# KiCad board nyx.kicad_pcb (continued)
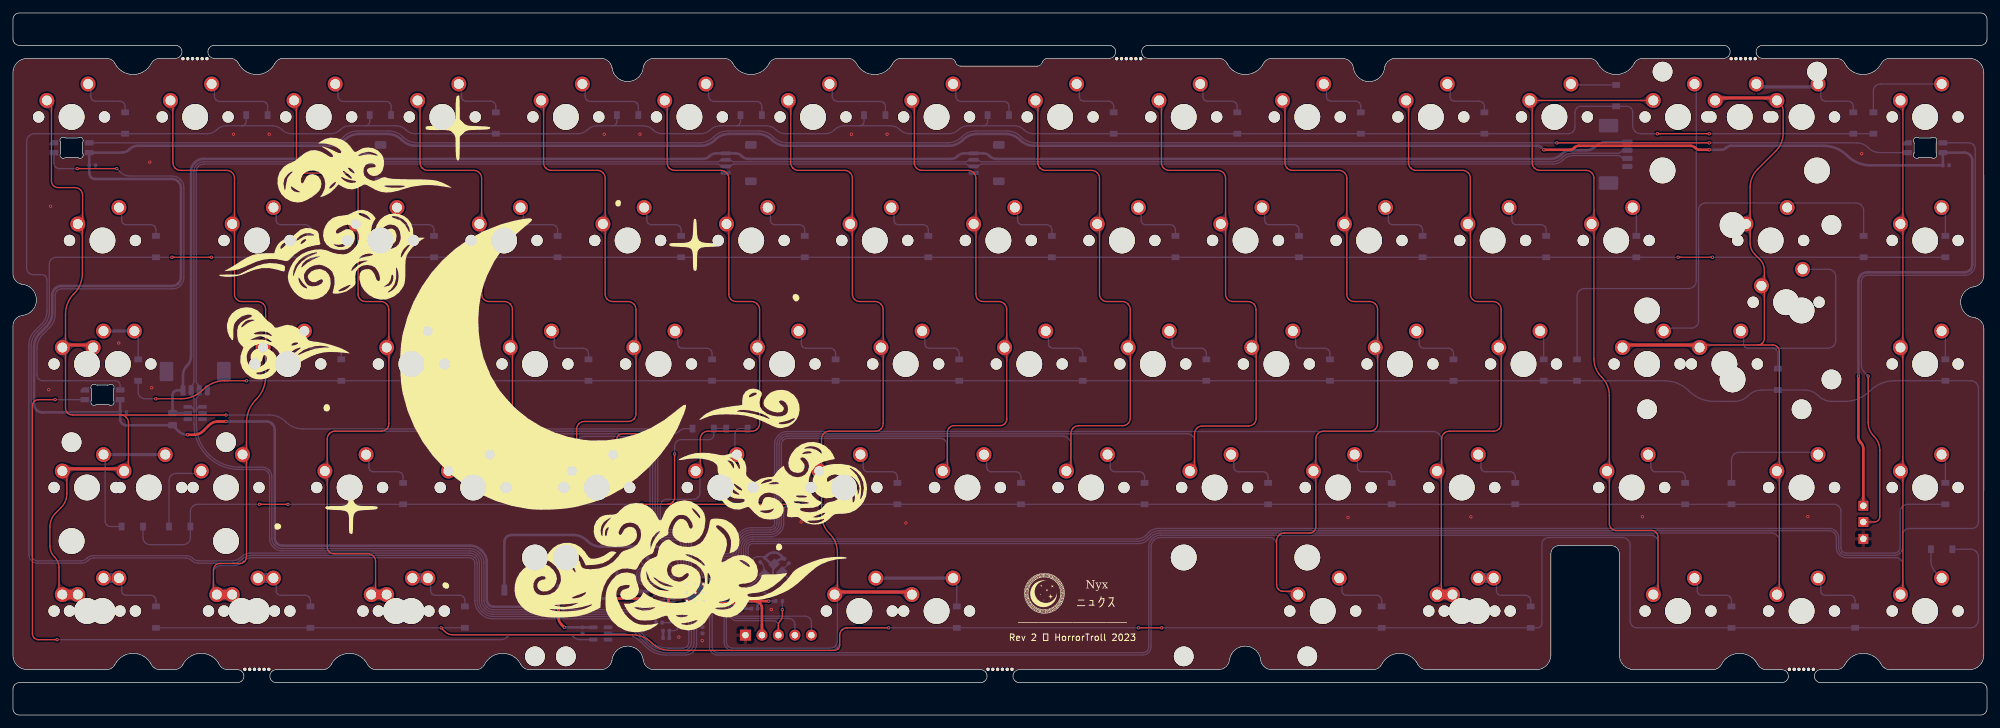
[diagram p0: board, top side]
## Routing (per net, layer and track width the routed paths; a pad name or vN(x,y) marks a point on that pad's centre or on a via; arc(x,y) is an arc through that point) (continued)
Net-(D40-A): length 9.2
  Bottom w0.2: D40.2 203.02,55.76 arc(202.96,56.06) 202.79,56.32 202.77,56.34 arc(202.51,56.51) 202.21,56.57 198.41,56.57 arc(198.16,56.62) 197.95,56.76 197.93,56.78 arc(197.79,56.99) 197.74,57.24 197.74,58.79 MX40.2
Net-(D41-A): length 9.2
  Bottom w0.2: D41.2 222.07,55.76 arc(222.01,56.06) 221.84,56.32 221.82,56.34 arc(221.56,56.51) 221.26,56.57 217.46,56.57 arc(217.21,56.62) 217,56.76 216.98,56.78 arc(216.84,56.99) 216.79,57.24 216.79,58.79 MX41.2
Net-(D42-A): length 4.6
  Bottom w0.2: D42.2 235.98,58.65 MX42.2
Net-(D43-A): length 36.6
  Bottom w0.2: 271.26,56.57 267.46,56.57 arc(267.21,56.62) 267,56.76 266.98,56.78 arc(266.84,56.99) 266.79,57.24 266.79,58.79 MX43.2 ; 271.26,56.57 279.82,56.57 arc(280.26,56.66) 280.64,56.91 280.66,56.94 arc(280.91,57.31) 281,57.75 281,67.62 arc(280.92,68.04) 280.68,68.39 280.65,68.42 arc(280.3,68.66) 279.87,68.74 MX71.2 ; 271.26,56.57 arc(271.57,56.51) 271.83,56.34 271.84,56.32 arc(272.02,56.06) 272.08,55.76 D43.2
Net-(D44-A): length 4.6
  Bottom w0.2: MX44.2 297.9,58.64 D44.2
Net-(D45-A): length 22.9
  Bottom w0.2: D45.2 15.05,29.07 arc(14.73,29.14) 14.45,29.32 14.45,29.32 arc(14.26,29.6) 14.2,29.92 14.2,39.92 MX79.2
  Bottom w0.5: MX79.2 MX45.2
Net-(D46-A): length 9.2
  Bottom w0.2: D46.2 60.14,36.71 arc(60.08,37.01) 59.91,37.27 59.9,37.29 arc(59.64,37.46) 59.33,37.52 55.53,37.52 arc(55.28,37.57) 55.07,37.71 55.05,37.73 arc(54.91,37.94) 54.86,38.19 54.86,39.74 MX46.2
Net-(D47-A): length 9.2
  Bottom w0.2: D47.2 79.19,36.71 arc(79.13,37.01) 78.96,37.27 78.95,37.29 arc(78.69,37.46) 78.38,37.52 74.58,37.52 arc(74.33,37.57) 74.12,37.71 74.1,37.73 arc(73.96,37.94) 73.91,38.19 73.91,39.74 MX47.2
Net-(D48-A): length 14.9
  Top w0.2: v1(100.5,43.4) 93.98,43.4 arc(93.65,43.33) 93.38,43.15 93.35,43.12 arc(93.16,42.85) 93.1,42.52 93.1,40.73 MX48.2
  Bottom w0.2: D48.2 103.64,44.17 arc(103.14,44.07) 102.72,43.79 102.71,43.78 arc(102.28,43.5) 101.79,43.4 v1(100.5,43.4)
Net-(D49-A): length 5.7
  Bottom w0.2: MX49.2 111.3,40.45 111.3,43.32 arc(111.36,43.65) 111.55,43.92 111.55,43.92 arc(111.83,44.11) 112.15,44.17 D49.2
Net-(D50-A): length 9.2
  Bottom w0.2: D50.2 136.34,36.71 arc(136.28,37.01) 136.11,37.27 136.1,37.29 arc(135.84,37.46) 135.53,37.52 131.73,37.52 arc(131.48,37.57) 131.27,37.71 131.25,37.73 arc(131.11,37.94) 131.06,38.19 131.06,39.74 MX50.2
Net-(D51-A): length 9.2
  Bottom w0.2: MX51.2 150.11,39.74 150.11,38.19 arc(150.16,37.94) 150.3,37.73 150.32,37.71 arc(150.53,37.57) 150.78,37.52 154.58,37.52 arc(154.89,37.46) 155.15,37.29 155.16,37.27 arc(155.33,37.01) 155.39,36.71 D51.2
Net-(D52-A): length 9.2
  Bottom w0.2: D52.2 174.44,36.71 arc(174.38,37.01) 174.21,37.27 174.2,37.29 arc(173.94,37.46) 173.63,37.52 169.83,37.52 arc(169.58,37.57) 169.37,37.71 169.35,37.73 arc(169.21,37.94) 169.16,38.19 169.16,39.74 MX52.2
Net-(D53-A): length 9.2
  Bottom w0.2: D53.2 193.49,36.71 arc(193.43,37.01) 193.26,37.27 193.25,37.29 arc(192.99,37.46) 192.68,37.52 188.88,37.52 arc(188.63,37.57) 188.42,37.71 188.4,37.73 arc(188.26,37.94) 188.21,38.19 188.21,39.74 MX53.2
Net-(D54-A): length 9.2
  Bottom w0.2: D54.2 212.54,36.71 arc(212.48,37.01) 212.31,37.27 212.3,37.29 arc(212.04,37.46) 211.73,37.52 207.93,37.52 arc(207.68,37.57) 207.47,37.71 207.45,37.73 arc(207.31,37.94) 207.26,38.19 207.26,39.74 MX54.2
Net-(D55-A): length 9.2
  Bottom w0.2: D55.2 231.59,36.71 arc(231.53,37.01) 231.36,37.27 231.35,37.29 arc(231.09,37.46) 230.78,37.52 226.98,37.52 arc(226.73,37.57) 226.52,37.71 226.5,37.73 arc(226.36,37.94) 226.31,38.19 226.31,39.74 MX55.2
Net-(D56-A): length 9.2
  Bottom w0.2: MX56.2 252.51,39.74 252.51,38.19 arc(252.56,37.94) 252.7,37.73 252.72,37.71 arc(252.93,37.57) 253.18,37.52 256.97,37.52 arc(257.28,37.46) 257.54,37.29 257.55,37.27 arc(257.73,37.01) 257.79,36.71 D56.2
Net-(D57-A): length 17.7
  Bottom w0.2: MX57.2 277.92,40.52 266.09,40.52 arc(265.65,40.43) 265.28,40.19 265.27,40.18 arc(265.02,39.8) 264.93,39.36 D57.2
Net-(D58-A): length 4.6
  Bottom w0.2: MX58.2 297.9,39.59 D58.2
Net-(D59-A): length 11.6
  Bottom w0.2: D59.2 22.04,17.66 arc(21.98,17.96) 21.81,18.22 21.8,18.24 arc(21.54,18.41) 21.23,18.47 17.43,18.47 arc(17.18,18.52) 16.97,18.66 16.95,18.68 arc(16.81,18.89) 16.76,19.14 16.76,20.69 MX73.2
  Bottom w1.5: MX73.2 MX59.2
Net-(D60-A): length 11.6
  Bottom w0.2: MX74.2 40.58,20.69 40.58,19.14 arc(40.62,18.89) 40.77,18.68 40.78,18.66 arc(41,18.52) 41.24,18.47 45.04,18.47 arc(45.35,18.41) 45.61,18.24 45.62,18.22 arc(45.8,17.96) 45.86,17.66 D60.2
  Bottom w1.5: MX60.2 MX74.2
Net-(D61-A): length 11.6
  Bottom w0.2: D61.2 69.67,17.66 arc(69.61,17.96) 69.44,18.22 69.42,18.24 arc(69.16,18.41) 68.86,18.47 65.06,18.47 arc(64.81,18.52) 64.6,18.66 64.58,18.68 arc(64.44,18.89) 64.39,19.14 64.39,20.69 MX75.2
  Bottom w1.5: MX75.2 MX61.2
Net-(D62-A): length 16.5
  Bottom w0.2: D62.2 145.5,20.54 MX76.2
  Bottom w0.5: MX62.2 MX76.2
Net-(D63-A): length 10
  Bottom w0.2: MX63.2 204.88,20.69 204.88,19.14 arc(204.93,18.89) 205.07,18.68 205.09,18.66 arc(205.3,18.52) 205.55,18.47 210.19,18.47 arc(210.49,18.41) 210.75,18.24 210.77,18.22 arc(210.94,17.96) 211,17.66 D63.2
Net-(D64-A): length 11.6
  Bottom w0.2: D64.2 233.98,17.66 arc(233.92,17.96) 233.74,18.22 233.73,18.24 arc(233.47,18.41) 233.16,18.47 229.36,18.47 arc(229.11,18.52) 228.9,18.66 228.88,18.68 arc(228.74,18.89) 228.69,19.14 228.69,20.69 MX64.2
  Bottom w1.5: MX64.2 MX77.2
Net-(D65-A): length 9.2
  Bottom w0.2: MX65.2 259.65,20.69 259.65,19.14 arc(259.7,18.89) 259.84,18.68 259.86,18.66 arc(260.07,18.52) 260.32,18.47 264.12,18.47 arc(264.42,18.41) 264.68,18.24 264.7,18.22 arc(264.87,17.96) 264.93,17.66 D65.2
Net-(D66-A): length 9.2
  Bottom w0.2: MX66.2 278.7,20.69 278.7,19.14 arc(278.75,18.89) 278.89,18.68 278.91,18.66 arc(279.12,18.52) 279.37,18.47 283.17,18.47 arc(283.47,18.41) 283.73,18.24 283.75,18.22 arc(283.92,17.96) 283.98,17.66 D66.2
Net-(D67-A): length 5
  Bottom w0.2: MX67.2 296.41,22.04 arc(295.87,22.85) 295.68,23.8 D67.2
Net-(D68-A): length 60
  Bottom w0.2: MX70.2 259.5,97.04 259.5,66.95 arc(259.41,66.51) 259.16,66.14 259.14,66.11 arc(258.76,65.86) 258.32,65.77 242.28,65.77 arc(241.84,65.68) 241.46,65.44 241.46,65.43 arc(241.21,65.06) 241.12,64.62 D68.2
Net-(D69-A): length 12.9
  Bottom w0.2: D69.2 24.05,36.17 arc(24.13,36.59) 24.37,36.94 24.38,36.95 arc(24.73,37.19) 25.16,37.27 28.68,37.27 MX72.1
Net-(LED1-DOUT): length 86.4
  Top w0.2: v1(16,84.27) v1(9.9,84.27)
  Bottom w0.2: 16.53,50.14 16.53,50.79 arc(16.47,51.08) 16.31,51.32 16.3,51.33 arc(16.05,51.49) 15.77,51.55 4.57,51.55 arc(4.25,51.61) 3.97,51.8 3.95,51.82 arc(3.76,52.1) 3.7,52.43 3.7,56.56 arc(3.93,57.71) 4.58,58.68 5.62,59.73 arc(6.27,60.7) 6.5,61.85 6.5,64.72 arc(6.58,65.1) 6.79,65.43 6.79,65.43 arc(7.12,65.65) 7.5,65.72 24.6,65.72 arc(25.23,65.85) 25.77,66.21 25.87,66.3 arc(26.22,66.84) 26.35,67.47 26.35,81.38 arc(26.22,82.01) 25.87,82.54 25.77,82.64 arc(25.23,83) 24.6,83.12 17.98,83.12 arc(17.21,83.27) 16.56,83.71 v1(16,84.27) ; v1(9.9,84.27) 7.13,84.27 arc(6.83,84.33) 6.57,84.51 6.54,84.53 arc(6.37,84.79) 6.31,85.09 LED2.3
Net-(LED2-DOUT): length 283.7
  Top w0.2: v1(238,88.24) v1(261.5,88.24)
  Bottom w0.2: LED3.3 287.82,86.74 arc(286.85,86.93) 286.02,87.48 286.01,87.49 arc(285.18,88.04) 284.21,88.24 v1(261.5,88.24) ; LED2.2 48.75,88.24 arc(49.94,88.47) 50.94,89.15 50.96,89.16 arc(51.97,89.84) 53.15,90.07 57.92,90.07 arc(59.1,89.84) 60.11,89.16 60.13,89.15 arc(61.13,88.47) 62.32,88.24 105.83,88.24 arc(107.01,88.47) 108.02,89.15 108.04,89.16 arc(109.04,89.84) 110.23,90.07 114.99,90.07 arc(116.18,89.84) 117.18,89.16 117.2,89.15 arc(118.21,88.47) 119.39,88.24 144.05,88.24 arc(145.24,88.47) 146.24,89.15 146.26,89.16 arc(147.27,89.84) 148.45,90.07 153.22,90.07 arc(154.4,89.84) 155.41,89.16 155.43,89.15 arc(156.43,88.47) 157.62,88.24 v1(238,88.24)

## Copper pours and planes (outline as drawn; the poured copper is in the pictures)
+1V1 on Bottom: 102.53,17.57 103.5,17.57 103.5,17.2 106.6,17.2 106.6,16.6 102.54,16.6
+3V3 on Top: 115.26,14.02 115.23,13.66 115.14,13.41 115,13.21 114.85,12.98 114.67,12.65 115.46,12.32 116.25,12.65 116.07,12.98 115.92,13.21 115.78,13.41 115.69,13.66 115.66,14.02
+3V3 on Bottom: 99.6,13.62 99.6,14.72 100.7,14.72 101.13,16.82 102.4,16.82 102.4,17.87 102.38,17.97 102.3,18.07 100.9,18.07 100.2,18.32 99.4,18.32 98.5,17.37 97.8,17.67 98,18.42 99,18.85 102.3,18.85 102.38,18.95 102.4,19.05 102.4,21.62 102.43,21.68 102.45,21.89 102.73,21.89 102.78,21.66 102.85,21.62 105.9,21.62 105.98,21.65 106.05,21.9 106.33,21.9 106.38,21.65 106.45,21.62 107.98,21.62 107.98,20.15 106.88,20.15 106.88,20.57 103.5,20.57 103.5,17.2 106.88,17.2 106.88,19.47 107.95,19.47 107.98,19.03 108.01,18.9 108.25,18.82 108.25,18.54 108.01,18.47 107.98,18.35 107.98,16.07 106.5,16.07 106.4,16.02 106.32,15.77 106.05,15.77 105.98,16.02 105.85,16.07 102.75,16.07 102.75,12.72 101.7,12.72 101.7,11.22 100.7,11.22 100.7,13.62
+5V on Top: 285.05,33.8 284.94,33.59 284.83,33.41 284.71,33.25 284.6,33.13 284.49,33.03 285.25,32.27 286.01,33.03 285.9,33.13 285.79,33.25 285.67,33.41 285.56,33.59 285.45,33.8
+5V on Bottom: 23.41,44.5 23.54,44.48 23.67,44.44 23.8,44.39 23.92,44.32 24.05,44.23 24.6,44.7 24.05,45.17 23.92,45.08 23.8,45.01 23.67,44.95 23.54,44.92 23.41,44.9
+5V on Bottom: 25.57,44.01 25.51,44.11 25.46,44.23 25.41,44.37 25.35,44.52 25.3,44.69 24.6,44.7 24.4,44.21 24.58,44.15 24.75,44.07 24.93,43.97 25.11,43.86 25.29,43.73
GND on Top, Bottom: 304.3,6.47 -0.5,6.47 -0.5,101.77 304.3,101.77
VBUS on Bottom: 25.79,46.77 25.66,46.79 25.53,46.83 25.4,46.88 25.28,46.95 25.15,47.04 24.6,46.57 25.15,46.1 25.28,46.19 25.4,46.26 25.53,46.32 25.66,46.35 25.79,46.37
/~{USB_BOOT} on Bottom: 75.55,20.57 75.5,20.45 75.45,20.35 75.4,20.26 75.35,20.18 75.3,20.12 75.75,19.27 76.2,20.12 76.15,20.18 76.1,20.26 76.05,20.35 76,20.45 75.95,20.57
Col0 on Top: 8.2,54.5 8.22,54.96 8.28,55.28 8.38,55.55 8.51,55.85 8.69,56.28 7.61,56.68 6.73,55.94 7.09,55.6 7.44,55.39 7.73,55.21 7.93,54.95 8,54.5
Col0 on Top: 9.85,38.22 9.33,38.26 8.97,38.36 8.67,38.49 8.32,38.63 7.81,38.76 7.61,37.63 8.18,36.63 8.59,36.94 8.85,37.23 9.08,37.48 9.37,37.66 9.85,37.72
Col0 on Top: 9.84,57.32 9.32,57.36 8.97,57.44 8.66,57.56 8.31,57.69 7.81,57.81 7.61,56.68 8.18,55.68 8.59,55.99 8.85,56.3 9.07,56.57 9.36,56.75 9.84,56.82
Col0 on Top: 8.4,35.58 8.44,36.09 8.53,36.45 8.63,36.76 8.72,37.12 8.76,37.63 7.61,37.63 6.73,36.89 7.12,36.56 7.52,36.39 7.86,36.25 8.11,36.02 8.2,35.58
Col0 on Top: 6.03,92.74 6.07,93.25 6.15,93.61 6.26,93.91 6.34,94.27 6.37,94.78 5.22,94.78 4.34,94.04 4.74,93.71 5.14,93.54 5.49,93.41 5.74,93.19 5.83,92.74
Col0 on Top: 9.91,19.33 9.38,19.35 9.01,19.41 8.69,19.5 8.33,19.6 7.81,19.71 7.61,18.58 7.81,17.44 8.33,17.56 8.69,17.66 9.01,17.75 9.38,17.81 9.91,17.83
Col0 on Top: 7,20.75 6.98,20.29 6.92,19.97 6.83,19.71 6.7,19.4 6.53,18.97 7.61,18.58 8.49,19.32 8.12,19.66 7.77,19.86 7.47,20.04 7.27,20.3 7.2,20.75
Col0 on Top: 10.63,77.73 10.57,77.36 10.4,77.15 10.14,77.02 9.8,76.9 9.41,76.72 9.99,75.73 11.14,75.73 11.11,76.23 11.03,76.58 10.94,76.88 10.87,77.23 10.83,77.73
Col0 on Top: 10.14,56.82 10.61,56.75 10.9,56.57 11.12,56.3 11.38,55.99 11.79,55.68 12.37,56.68 12.17,57.81 11.66,57.69 11.31,57.56 11.01,57.44 10.65,57.36 10.14,57.32
Col0 on Top: 14.89,37.72 15.36,37.66 15.66,37.48 15.88,37.23 16.15,36.94 16.56,36.63 17.13,37.63 16.93,38.76 16.42,38.63 16.07,38.49 15.77,38.36 15.41,38.26 14.89,38.22
Col0 on Top: 8,58.85 7.93,58.41 7.73,58.14 7.44,57.96 7.09,57.76 6.73,57.42 7.61,56.68 8.69,57.07 8.51,57.5 8.38,57.81 8.28,58.08 8.22,58.4 8.2,58.85
Col0 on Top: 7.69,17.83 8.21,17.81 8.59,17.75 8.9,17.66 9.27,17.56 9.79,17.44 9.99,18.58 9.79,19.71 9.27,19.6 8.9,19.5 8.59,19.41 8.21,19.35 7.69,19.33
Col0 on Top: 10.8,73.7 10.84,74.2 10.92,74.56 11.02,74.86 11.1,75.22 11.14,75.73 9.99,75.73 9.11,74.99 9.51,74.66 9.91,74.49 10.26,74.36 10.51,74.14 10.6,73.7
Col0 on Top: 17.7,39.69 17.61,39.25 17.37,39.02 17.03,38.88 16.64,38.7 16.25,38.37 17.13,37.63 18.21,38.02 18.07,38.42 17.98,38.71 17.93,38.97 17.9,39.27 17.9,39.69
Col1 on Top: 34.05,77.96 33.99,77.51 33.82,77.23 33.58,77.03 33.27,76.81 32.92,76.47 33.8,75.73 34.88,76.12 34.69,76.57 34.52,76.88 34.38,77.15 34.28,77.48 34.25,77.96
Col1 on Top: 39.05,54.46 39.08,54.93 39.16,55.26 39.29,55.53 39.46,55.84 39.64,56.28 38.56,56.68 37.68,55.94 38.04,55.6 38.35,55.38 38.61,55.18 38.79,54.91 38.85,54.46
Col1 on Top: 33.72,19.33 33.19,19.35 32.82,19.41 32.5,19.5 32.14,19.6 31.62,19.71 31.42,18.58 31.62,17.44 32.14,17.56 32.5,17.66 32.82,17.75 33.19,17.81 33.72,17.83
Col1 on Top: 34.25,73.5 34.28,73.98 34.38,74.3 34.52,74.57 34.69,74.89 34.88,75.33 33.8,75.73 32.92,74.99 33.27,74.65 33.58,74.42 33.82,74.22 33.99,73.94 34.05,73.5
Col1 on Top: 24.75,92.56 24.78,93.03 24.87,93.36 25,93.63 25.17,93.94 25.36,94.38 24.27,94.78 23.39,94.04 23.75,93.7 24.06,93.48 24.32,93.28 24.49,93 24.55,92.56
Col1 on Top: 30.8,20.74 30.78,20.29 30.73,19.97 30.64,19.7 30.51,19.4 30.34,18.97 31.42,18.58 32.3,19.32 31.93,19.66 31.57,19.86 31.28,20.04 31.08,20.3 31,20.74
Col1 on Top: 35.9,42.28 35.82,41.83 35.59,41.59 35.27,41.43 34.89,41.24 34.51,40.91 35.39,40.17 36.47,40.56 36.31,40.97 36.21,41.27 36.14,41.53 36.11,41.84 36.1,42.28
Col1 on Top: 31.5,17.83 32.03,17.81 32.4,17.75 32.71,17.66 33.08,17.56 33.6,17.44 33.8,18.58 33.6,19.71 33.08,19.6 32.71,19.5 32.4,19.41 32.03,19.35 31.5,19.33
Col1 on Top: 38.85,58.89 38.79,58.45 38.61,58.17 38.35,57.98 38.04,57.76 37.68,57.42 38.56,56.68 39.64,57.07 39.46,57.51 39.29,57.82 39.16,58.1 39.08,58.42 39.05,58.89
Col1 on Top: 36.1,38.05 36.11,38.49 36.14,38.8 36.21,39.06 36.31,39.36 36.47,39.77 35.39,40.17 34.51,39.43 34.89,39.09 35.27,38.9 35.59,38.74 35.82,38.5 35.9,38.05
Col1 on Bottom: 30.8,20.74 30.78,20.29 30.73,19.97 30.64,19.7 30.51,19.4 30.34,18.97 31.42,18.58 32.3,19.32 31.93,19.66 31.57,19.86 31.28,20.04 31.08,20.3 31,20.74
Col2 on Top: 48.55,35.4 48.58,35.88 48.67,36.2 48.81,36.48 48.98,36.79 49.17,37.23 48.09,37.63 47.21,36.89 47.56,36.55 47.87,36.33 48.12,36.12 48.29,35.85 48.35,35.4
Col2 on Top: 57.85,58.91 57.79,58.46 57.63,58.19 57.38,57.98 57.08,57.76 56.73,57.42 57.61,56.68 58.69,57.07 58.5,57.52 58.32,57.83 58.18,58.11 58.08,58.43 58.05,58.91
Col2 on Top: 58.05,54.45 58.08,54.92 58.18,55.25 58.32,55.52 58.5,55.83 58.69,56.28 57.61,56.68 56.73,55.94 57.08,55.6 57.38,55.37 57.63,55.17 57.79,54.89 57.85,54.45
Col2 on Top: 55.31,17.83 55.84,17.81 56.21,17.75 56.53,17.66 56.89,17.56 57.41,17.44 57.61,18.58 57.41,19.71 56.89,19.6 56.53,19.5 56.21,19.41 55.84,19.35 55.31,19.33
Col2 on Top: 43.8,92.56 43.83,93.03 43.92,93.36 44.05,93.63 44.22,93.94 44.41,94.38 43.32,94.78 42.44,94.04 42.8,93.7 43.11,93.48 43.37,93.28 43.54,93 43.6,92.56
Col2 on Top: 55.8,20.64 55.71,20.2 55.47,19.97 55.13,19.83 54.74,19.65 54.35,19.32 55.23,18.58 56.31,18.97 56.17,19.37 56.08,19.66 56.03,19.92 56,20.22 56,20.64
Col2 on Top: 53.1,77.96 53.04,77.51 52.87,77.23 52.63,77.03 52.32,76.81 51.97,76.47 52.85,75.73 53.93,76.12 53.74,76.57 53.57,76.88 53.43,77.15 53.33,77.48 53.3,77.96
Col2 on Top: 53.3,73.5 53.33,73.98 53.43,74.3 53.57,74.57 53.74,74.89 53.93,75.33 52.85,75.73 51.97,74.99 52.32,74.65 52.63,74.42 52.87,74.22 53.04,73.94 53.1,73.5
Col2 on Top: 48.35,39.85 48.29,39.41 48.12,39.13 47.87,38.93 47.56,38.71 47.21,38.37 48.09,37.63 49.17,38.02 48.98,38.47 48.81,38.78 48.67,39.05 48.58,39.38 48.55,39.85
Col2 on Top: 57.53,19.33 57,19.35 56.63,19.41 56.32,19.5 55.95,19.6 55.43,19.71 55.23,18.58 55.43,17.44 55.95,17.56 56.32,17.66 56.63,17.75 57,17.81 57.53,17.83
Col2 on Bottom: 48.35,39.85 48.29,39.41 48.12,39.13 47.87,38.93 47.56,38.71 47.21,38.37 48.09,37.63 49.17,38.02 48.98,38.47 48.81,38.78 48.67,39.05 48.58,39.38 48.55,39.85
Col3 on Top: 76.9,58.91 76.84,58.46 76.68,58.19 76.43,57.98 76.13,57.76 75.78,57.42 76.66,56.68 77.74,57.07 77.55,57.52 77.37,57.83 77.23,58.11 77.13,58.43 77.1,58.91
Col3 on Top: 72.15,77.96 72.09,77.51 71.92,77.23 71.68,77.03 71.37,76.81 71.02,76.47 71.9,75.73 72.98,76.12 72.79,76.57 72.62,76.88 72.48,77.15 72.38,77.48 72.35,77.96
Col3 on Top: 67.75,39.66 67.66,39.22 67.41,38.99 67.06,38.86 66.66,38.7 66.26,38.37 67.14,37.63 68.29,37.63 68.25,38.14 68.17,38.49 68.07,38.8 67.99,39.15 67.95,39.66
Col3 on Top: 77.1,54.45 77.13,54.92 77.23,55.25 77.37,55.52 77.55,55.83 77.74,56.28 76.66,56.68 75.78,55.94 76.13,55.6 76.43,55.37 76.68,55.17 76.84,54.89 76.9,54.45
Col3 on Top: 62.85,92.56 62.88,93.03 62.97,93.36 63.1,93.63 63.27,93.94 63.46,94.38 62.37,94.78 61.49,94.04 61.85,93.7 62.16,93.48 62.42,93.28 62.59,93 62.65,92.56
Col3 on Top: 72.35,73.5 72.38,73.98 72.48,74.3 72.62,74.57 72.79,74.89 72.98,75.33 71.9,75.73 71.02,74.99 71.37,74.65 71.68,74.42 71.92,74.22 72.09,73.94 72.15,73.5
Col3 on Bottom: 67.7,39.7 67.61,39.26 67.37,39.02 67.04,38.88 66.65,38.7 66.26,38.37 67.14,37.63 68.22,38.02 68.07,38.42 67.98,38.71 67.93,38.97 67.91,39.27 67.9,39.7
Col4 on Top: 86.8,39.66 86.71,39.22 86.46,38.99 86.11,38.86 85.71,38.7 85.31,38.37 86.19,37.63 87.34,37.63 87.3,38.14 87.22,38.49 87.12,38.8 87.04,39.15 87,39.66
Col4 on Top: 81.9,92.56 81.93,93.03 82.02,93.36 82.15,93.63 82.32,93.94 82.51,94.38 81.42,94.78 80.54,94.04 80.9,93.7 81.21,93.48 81.47,93.28 81.64,93 81.7,92.56
Col4 on Top: 95.95,58.91 95.89,58.46 95.73,58.19 95.48,57.98 95.18,57.76 94.83,57.42 95.71,56.68 96.79,57.07 96.6,57.52 96.42,57.83 96.28,58.11 96.18,58.43 96.15,58.91
Col4 on Top: 91.2,77.96 91.14,77.51 90.97,77.23 90.73,77.03 90.42,76.81 90.07,76.47 90.95,75.73 92.03,76.12 91.84,76.57 91.67,76.88 91.53,77.15 91.43,77.48 91.4,77.96
Col4 on Top: 96.15,54.45 96.18,54.92 96.28,55.25 96.42,55.52 96.6,55.83 96.79,56.28 95.71,56.68 94.83,55.94 95.18,55.6 95.48,55.37 95.73,55.17 95.89,54.89 95.95,54.45
Col4 on Top: 91.4,73.5 91.43,73.98 91.53,74.3 91.67,74.57 91.84,74.89 92.03,75.33 90.95,75.73 90.07,74.99 90.42,74.65 90.73,74.42 90.97,74.22 91.14,73.94 91.2,73.5
Col4 on Bottom: 86.8,39.66 86.71,39.22 86.46,38.99 86.11,38.86 85.71,38.7 85.31,38.37 86.19,37.63 87.34,37.63 87.3,38.14 87.22,38.49 87.12,38.8 87.04,39.15 87,39.66
Col5 on Top: 105.85,39.66 105.76,39.22 105.51,38.99 105.16,38.86 104.76,38.7 104.36,38.37 105.24,37.63 106.39,37.63 106.35,38.14 106.27,38.49 106.17,38.8 106.09,39.15 106.05,39.66
Col5 on Top: 100.95,92.56 100.98,93.03 101.07,93.36 101.2,93.63 101.37,93.94 101.56,94.38 100.47,94.78 99.59,94.04 99.95,93.7 100.26,93.48 100.52,93.28 100.69,93 100.75,92.56
Col5 on Top: 110.25,77.96 110.19,77.51 110.02,77.23 109.78,77.03 109.47,76.81 109.12,76.47 110,75.73 111.08,76.12 110.89,76.57 110.72,76.88 110.58,77.15 110.48,77.48 110.45,77.96
Col5 on Top: 115.2,54.45 115.23,54.92 115.33,55.25 115.47,55.52 115.65,55.83 115.84,56.28 114.76,56.68 113.88,55.94 114.23,55.6 114.53,55.37 114.78,55.17 114.94,54.89 115,54.45
Col5 on Top: 115,58.91 114.94,58.46 114.78,58.19 114.53,57.98 114.23,57.76 113.88,57.42 114.76,56.68 115.84,57.07 115.65,57.52 115.47,57.83 115.33,58.11 115.23,58.43 115.2,58.91
Col5 on Top: 110.45,73.5 110.48,73.98 110.58,74.3 110.72,74.57 110.89,74.89 111.08,75.33 110,75.73 109.12,74.99 109.47,74.65 109.78,74.42 110.02,74.22 110.19,73.94 110.25,73.5
Col5 on Bottom: 106,35.56 106.01,35.98 106.03,36.28 106.08,36.54 106.17,36.83 106.32,37.23 105.24,37.63 104.36,36.89 104.75,36.55 105.14,36.38 105.47,36.23 105.71,36 105.8,35.56
Col6 on Top: 129.5,73.5 129.53,73.98 129.63,74.3 129.77,74.57 129.94,74.89 130.13,75.33 129.05,75.73 128.17,74.99 128.52,74.65 128.83,74.42 129.07,74.22 129.24,73.94 129.3,73.5
Col6 on Top: 124.55,39.85 124.49,39.41 124.32,39.13 124.07,38.93 123.76,38.71 123.41,38.37 124.29,37.63 125.37,38.02 125.18,38.47 125.01,38.78 124.87,39.05 124.78,39.38 124.75,39.85
Col6 on Top: 128.9,19.22 128.39,19.26 128.03,19.34 127.73,19.46 127.37,19.59 126.87,19.71 126.67,18.58 127.24,17.58 127.65,17.89 127.91,18.2 128.13,18.47 128.42,18.65 128.9,18.72
Col6 on Top: 129.3,77.96 129.24,77.51 129.07,77.23 128.83,77.03 128.52,76.81 128.17,76.47 129.05,75.73 130.13,76.12 129.94,76.57 129.77,76.88 129.63,77.15 129.53,77.48 129.5,77.96
Col6 on Top: 134.05,58.91 133.99,58.46 133.83,58.19 133.58,57.98 133.28,57.76 132.93,57.42 133.81,56.68 134.89,57.07 134.7,57.52 134.52,57.83 134.38,58.11 134.28,58.43 134.25,58.91
Col6 on Top: 134.25,54.45 134.28,54.92 134.38,55.25 134.52,55.52 134.7,55.83 134.89,56.28 133.81,56.68 132.93,55.94 133.28,55.6 133.58,55.37 133.83,55.17 133.99,54.89 134.05,54.45
Col6 on Top: 120,92.56 120.03,93.03 120.12,93.36 120.25,93.63 120.42,93.94 120.61,94.38 119.52,94.78 118.64,94.04 119,93.7 119.31,93.48 119.57,93.28 119.74,93 119.8,92.56
Col6 on Top: 124.75,35.4 124.78,35.88 124.87,36.2 125.01,36.48 125.18,36.79 125.37,37.23 124.29,37.63 123.41,36.89 123.76,36.55 124.07,36.33 124.32,36.12 124.49,35.85 124.55,35.4
Col6 on Top: 127,20.78 126.93,20.33 126.75,20.06 126.48,19.87 126.15,19.66 125.79,19.32 126.67,18.58 127.75,18.97 127.57,19.41 127.42,19.72 127.3,19.99 127.23,20.31 127.2,20.78
Col6 on Top: 136.35,18.72 136.82,18.65 137.11,18.47 137.33,18.2 137.59,17.89 138,17.58 138.58,18.58 138.38,19.71 137.87,19.59 137.52,19.46 137.21,19.34 136.86,19.26 136.35,19.22
Col6 on Bottom: 127.2,16.38 127.23,16.84 127.3,17.17 127.42,17.44 127.57,17.75 127.75,18.18 126.67,18.58 125.79,17.84 126.15,17.5 126.48,17.28 126.75,17.09 126.93,16.83 127,16.38
Col7 on Top: 148.35,77.96 148.29,77.51 148.12,77.23 147.88,77.03 147.57,76.81 147.22,76.47 148.1,75.73 149.18,76.12 148.99,76.57 148.82,76.88 148.68,77.15 148.58,77.48 148.55,77.96
Col7 on Top: 153.3,54.45 153.33,54.92 153.43,55.25 153.57,55.52 153.75,55.83 153.94,56.28 152.86,56.68 151.98,55.94 152.33,55.6 152.63,55.37 152.88,55.17 153.04,54.89 153.1,54.45
Col7 on Top: 139.05,92.56 139.08,93.03 139.17,93.36 139.3,93.63 139.47,93.94 139.66,94.38 138.57,94.78 137.69,94.04 138.05,93.7 138.36,93.48 138.62,93.28 138.79,93 138.85,92.56
Col7 on Top: 153.1,58.91 153.04,58.46 152.88,58.19 152.63,57.98 152.33,57.76 151.98,57.42 152.86,56.68 153.94,57.07 153.75,57.52 153.57,57.83 153.43,58.11 153.33,58.43 153.3,58.91
Col7 on Top: 143.95,39.66 143.86,39.22 143.61,38.99 143.26,38.86 142.86,38.7 142.46,38.37 143.34,37.63 144.49,37.63 144.45,38.14 144.37,38.49 144.27,38.8 144.19,39.15 144.15,39.66
Col7 on Top: 148.55,73.5 148.58,73.98 148.68,74.3 148.82,74.57 148.99,74.89 149.18,75.33 148.1,75.73 147.22,74.99 147.57,74.65 147.88,74.42 148.12,74.22 148.29,73.94 148.35,73.5
Col7 on Bottom: 143.9,39.7 143.81,39.26 143.57,39.02 143.24,38.88 142.85,38.7 142.46,38.37 143.34,37.63 144.42,38.02 144.27,38.42 144.18,38.71 144.13,38.97 144.11,39.27 144.1,39.7
Col8 on Top: 158.1,92.56 158.13,93.03 158.22,93.36 158.35,93.63 158.52,93.94 158.71,94.38 157.62,94.78 156.74,94.04 157.1,93.7 157.41,93.48 157.67,93.28 157.84,93 157.9,92.56
Col8 on Top: 172.15,58.91 172.09,58.46 171.93,58.19 171.68,57.98 171.38,57.76 171.03,57.42 171.91,56.68 172.99,57.07 172.8,57.52 172.62,57.83 172.48,58.11 172.38,58.43 172.35,58.91
Col8 on Top: 172.35,54.45 172.38,54.92 172.48,55.25 172.62,55.52 172.8,55.83 172.99,56.28 171.91,56.68 171.03,55.94 171.38,55.6 171.68,55.37 171.93,55.17 172.09,54.89 172.15,54.45
Col8 on Top: 167.6,73.5 167.63,73.98 167.73,74.3 167.87,74.57 168.04,74.89 168.23,75.33 167.15,75.73 166.27,74.99 166.62,74.65 166.93,74.42 167.17,74.22 167.34,73.94 167.4,73.5
Col8 on Top: 163,39.66 162.91,39.22 162.66,38.99 162.31,38.86 161.91,38.7 161.51,38.37 162.39,37.63 163.54,37.63 163.5,38.14 163.42,38.49 163.32,38.8 163.24,39.15 163.2,39.66
Col8 on Top: 167.4,77.96 167.34,77.51 167.17,77.23 166.93,77.03 166.62,76.81 166.27,76.47 167.15,75.73 168.23,76.12 168.04,76.57 167.87,76.88 167.73,77.15 167.63,77.48 167.6,77.96
Col8 on Bottom: 163,39.66 162.91,39.22 162.66,38.99 162.31,38.86 161.91,38.7 161.51,38.37 162.39,37.63 163.54,37.63 163.5,38.14 163.42,38.49 163.32,38.8 163.24,39.15 163.2,39.66
Col9 on Top: 182.05,39.66 181.96,39.22 181.71,38.99 181.36,38.86 180.96,38.7 180.56,38.37 181.44,37.63 182.59,37.63 182.55,38.14 182.47,38.49 182.37,38.8 182.29,39.15 182.25,39.66
Col9 on Top: 177.15,92.56 177.18,93.03 177.27,93.36 177.4,93.63 177.57,93.94 177.76,94.38 176.67,94.78 175.79,94.04 176.15,93.7 176.46,93.48 176.72,93.28 176.89,93 176.95,92.56
Col9 on Top: 186.83,77.74 186.74,77.3 186.48,77.08 186.13,76.96 185.72,76.8 185.32,76.47 186.2,75.73 187.35,75.73 187.32,76.23 187.24,76.58 187.15,76.88 187.07,77.24 187.03,77.74
Col9 on Top: 191.75,54.63 191.75,55.05 191.77,55.35 191.82,55.6 191.9,55.89 192.04,56.28 190.96,56.68 190.08,55.94 190.48,55.61 190.87,55.43 191.22,55.3 191.46,55.07 191.55,54.63
Col9 on Top: 187.03,73.72 187.07,74.22 187.15,74.57 187.24,74.87 187.32,75.23 187.35,75.73 186.2,75.73 185.32,74.99 185.72,74.66 186.13,74.5 186.48,74.37 186.74,74.16 186.83,73.72
Col9 on Top: 191.53,58.74 191.44,58.3 191.21,58.07 190.87,57.93 190.48,57.75 190.08,57.42 190.96,56.68 192.04,57.07 191.9,57.47 191.81,57.76 191.76,58.02 191.74,58.32 191.73,58.74
Col9 on Bottom: 182.05,39.66 181.96,39.22 181.71,38.99 181.36,38.86 180.96,38.7 180.56,38.37 181.44,37.63 182.59,37.63 182.55,38.14 182.47,38.49 182.37,38.8 182.29,39.15 182.25,39.66
Col10 on Top: 205.53,77.95 205.46,77.5 205.29,77.23 205.04,77.03 204.72,76.81 204.37,76.47 205.25,75.73 206.33,76.12 206.14,76.57 205.98,76.88 205.84,77.15 205.76,77.47 205.73,77.95
Col10 on Top: 200.95,35.4 200.98,35.88 201.07,36.2 201.21,36.48 201.38,36.79 201.57,37.23 200.49,37.63 199.61,36.89 199.96,36.55 200.27,36.33 200.52,36.12 200.69,35.85 200.75,35.4
Col10 on Top: 210.28,58.9 210.21,58.46 210.05,58.18 209.79,57.98 209.48,57.76 209.13,57.42 210.01,56.68 211.09,57.07 210.9,57.52 210.73,57.83 210.6,58.1 210.51,58.43 210.48,58.9
Col10 on Top: 196.2,92.56 196.23,93.03 196.32,93.36 196.45,93.63 196.62,93.94 196.81,94.38 195.72,94.78 194.84,94.04 195.2,93.7 195.51,93.48 195.77,93.28 195.94,93 196,92.56
Col10 on Top: 195.93,18.97 196.35,18.92 196.6,18.76 196.78,18.52 196.96,18.21 197.23,17.84 198.11,18.58 197.91,19.71 197.41,19.59 197.07,19.44 196.78,19.31 196.44,19.21 195.93,19.17
Col10 on Top: 205.73,73.51 205.76,73.98 205.84,74.31 205.98,74.58 206.14,74.89 206.33,75.33 205.25,75.73 204.37,74.99 204.72,74.65 205.04,74.43 205.29,74.23 205.46,73.95 205.53,73.51
Col10 on Top: 210.48,54.45 210.51,54.93 210.6,55.25 210.73,55.53 210.9,55.84 211.09,56.28 210.01,56.68 209.13,55.94 209.48,55.6 209.79,55.38 210.05,55.18 210.22,54.9 210.28,54.45
Col10 on Top: 200.75,39.85 200.69,39.41 200.52,39.13 200.27,38.93 199.96,38.71 199.61,38.37 200.49,37.63 201.57,38.02 201.38,38.47 201.21,38.78 201.07,39.05 200.98,39.38 200.95,39.85
